# Altium PCB CT310高端控制盒核心板电路V1.3.PcbDoc (part 9 of 10)
Units mil, origin at the board's own origin, x right, y up, seen from the top; angles counter-clockwise.
Board outline 3735.76 x 4625 mil, 2 copper layers (TOP, BOTTOM), stack 10.4 mil thick; 198 components, 362 nets, 1085 pads, 352 vias.
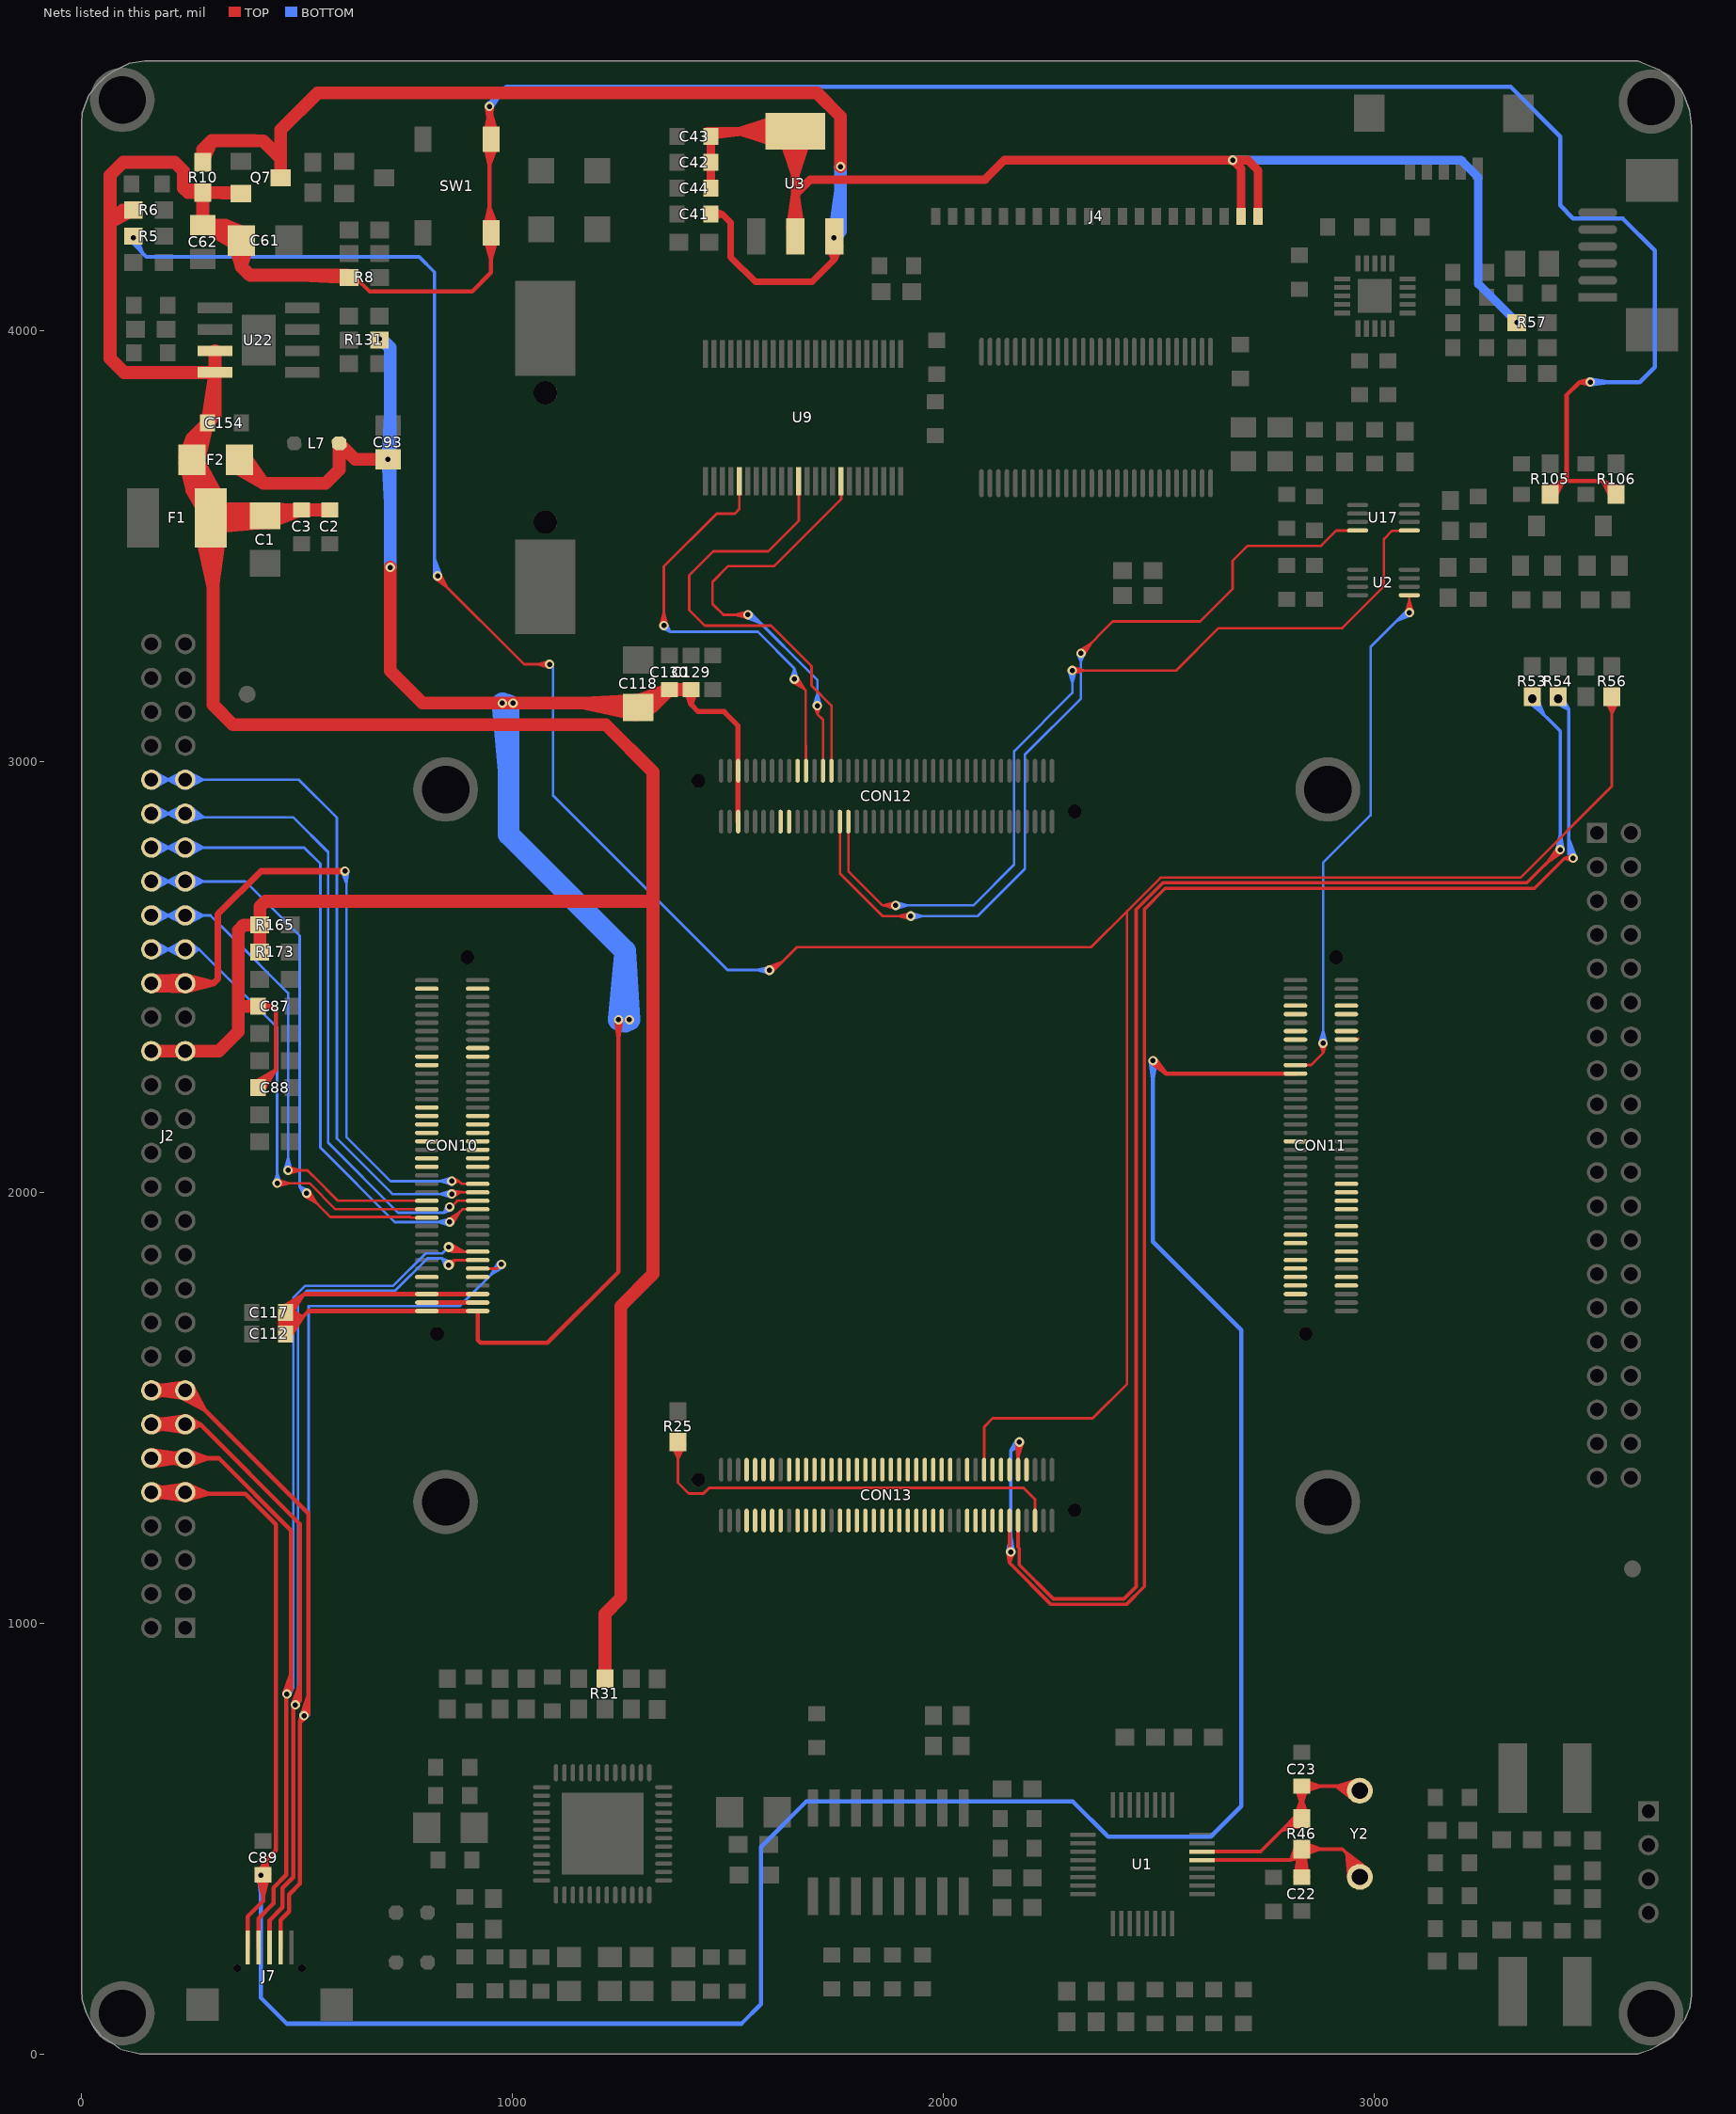
[diagram p9: the nets of this part, all layers, seen from the top]

## Via types
v1: diameter 22, hole 12, TOP to BOTTOM, tented both sides, 177 vias
v2: diameter 22, hole 12, TOP to BOTTOM, 89 vias
v3: diameter 28, hole 16, TOP to BOTTOM, 37 vias
v4: diameter 30, hole 20, TOP to BOTTOM, tented both sides, 26 vias
v5: diameter 24, hole 12, TOP to BOTTOM, 17 vias
v6: diameter 50, hole 30, TOP to BOTTOM, tented both sides, 5 vias
v7: diameter 40, hole 24, TOP to BOTTOM, 1 vias

## Nets (pads, with @x,y where several pads share a name; then routed paths per layer and width w, separated by ;. In a path a pad name is that pad's centre, name@x,y a point inside that pad or via, vN(x,y) a via of type N, cw(c..) or ccw(c..) an arc to the next point about the centre after c; other vN are vias at no path point) (continued)
VSYS: C1.1 C2.1 C3.1 C61.1 C62.1 C87.1 C88.1 C154.1 F1.2 F2.1 J2.35 J2.36 Q7.2 R6.2 R8.1 R10.1 R31.2 R105.2 R106.2 R165.2 R173.2 SW1.1 SW1.2 U22.3 U22.4 | length 22431.9
  TOP w10: C88.1@401.64,2254.59 448.17,2281.36 ; C88.1@409.24,2242.43 450.76,2283.94 450.76,2420 439.55,2431.21 ; C88.1@409.24,2244.4 448.17,2281.36 ; C87.1@409.24,2431.21 439.55,2431.21 ; C87.1@411.91,2418.78 439.55,2431.21 ; C87.1@411.91,2443.65 439.55,2431.21 ; C88.1@419.03,2236.28 448.17,2281.36 ; R8.1@620.01,4122.85 635.39,4122.85 668.25,4090 905.76,4090 949.5,4133.74 SW1.1@949.5,4226.73 945.76,4230.47 v1(945.76,4520) 949.5,4478.32 ; SW1.1@934.85,4237.64 945.76,4286.48 ; SW1.2@934.85,4432.36 945.76,4383.57 ; SW1.2@934.85,4454.18 945.76,4502.88 ; SW1.1@934.98,4214.72 949.5,4167.2 ; SW1.2@934.98,4455.28 949.5,4502.8 ; v1@939.78,4519.56 945.76,4479 v1@951.74,4519.56 ; v1@939.84,4519.04 949.5,4478.32 ; SW1.1@949.5,4216.89 949.5,4167.2 ; SW1.1@949.5,4236.57 945.76,4286.48 ; SW1.2@949.5,4433.43 945.76,4383.57 ; SW1.2@949.5,4443.27 v1@949.5,4516.26 ; v1@951.76,4520.11 949.5,4478.32 ; SW1.1@963.82,4239.81 945.76,4286.48 ; SW1.2@963.82,4430.19 945.76,4383.57 ; SW1.2@963.82,4456.35 945.76,4502.88 ; SW1.1@964.02,4214.72 949.5,4167.2 ; SW1.2@964.02,4455.28 949.5,4502.8 ; R105.2@3399.44,3633.86 3437.86,3650 ; R105.2@3407.43,3619.57 3437.86,3650 ; R105.2@3407.43,3621.54 3437.86,3650 ; R105.2@3419.19,3612.75 3437.86,3650 ; v1@3500.04,3874.04 3475.76,3880 ; v1@3500.04,3885.96 3475.76,3880 ; v1(3500.76,3880) 3475.76,3880 ; R106.2@3549,3612.75 3530.33,3650 ; R106.2@3560.76,3619.57 3530.33,3650 ; R106.2@3560.76,3621.54 3530.33,3650 ; R106.2@3568.74,3633.86 3530.33,3650 ; 945.76,4502.88 949.5,4453.11 949.5,4502.8 ; 3437.86,3650 3530.33,3650 ; 3437.86,3650 3445.76,3657.9 3445.76,3850 3475.76,3880
  TOP w30: R6.2@119.76,4279.28 95.04,4279.28 ; J2.36@161.39,2327.22 J2.35@240.13,2327.22 317.98,2327.22 363.26,2372.5 363.26,2433.71 ; 179.13,3902.35 U22.4@281.63,3902.35 ; F1.2@277.28,3530.66 304.5,3406.02 ; F1.2@277.4,3592.84 F2.1@272.01,3694.04 ; F1.2@278.11,3589.85 F2.1@255.64,3700 ; F1.2@278.18,3589.62 F2.1@255.64,3696.06 ; F1.2@279.38,3586.65 F2.1@239.27,3694.04 ; R10.1@280.76,4317.6 C62.1@280.76,4244.37 ; R10.1@280.76,4321.54 235.76,4330 ; F1.2@295.76,3563.74 F1.2@299.99,3567.97 ; F1.2@295.76,3588.74 255.64,3628.86 ; F1.2@297.67,3587.33 C1.1@419.9,3586.09 ; F1.2@299.38,3542.6 C1.1@420.36,3553.17 ; F1.2@299.5,3533.5 304.5,3406.02 ; F1.2@300.71,3587.37 C1.1@421.25,3569.65 ; F1.2@300.97,3587.35 C1.1@425.19,3567.97 ; F1.2@302.02,3542.74 C1.1@425.19,3567.97 ; F1.2@302.41,3542.79 C1.1@421.25,3569.65 ; F1.2@303.73,3587 C1.1@420.36,3553.17 ; C154.1@304.13,3797.74 C154.1@291.39,3785 ; F1.2@304.5,3605 304.5,3131.26 350.76,3085 1215.76,3085 1325.76,2975 1325.76,1810 1250.76,1735 1250.76,1057.94 1213.97,1021.16 1213.97,900 1213.97,872.97 1213.97,982.66 ; F1.2@305.37,3543.38 C1.1@419.9,3586.09 ; U22.4@309.13,3899.61 C154.1@291.39,3786.97 ; U22.3@309.13,3945 U22.4@309.13,3902.35 ; U22.3@309.13,3952.35 U22.4@309.13,3902.35 ; F1.2@317.32,3610.07 F2.1@239.27,3694.04 ; F1.2@318.96,3607.59 F2.1@255.64,3696.06 ; F1.2@319.15,3607.25 F2.1@255.64,3700 ; F1.2@320.26,3604.92 F2.1@272.01,3694.04 ; F1.2@321.88,3532.41 304.5,3406.02 ; C61.1@353.76,4201.49 370.07,4147.97 ; Q7.2@362.9,4319.57 R10.1@280.76,4319.57 ; Q7.2@365.25,4317.5 R10.1@280.76,4319.57 ; C61.1@370.07,4203.92 370.07,4147.97 ; C61.1@386.39,4201.49 370.07,4147.97 ; R165.2@411.21,2620 375.76,2620 ; C1.1@425.19,3569.65 C1.1@438.97,3583.43 ; 507.75,4127.85 R8.1@618.04,4122.85 ; R8.1@620.01,4122.85 615.01,4127.85 390.19,4127.85 370.07,4147.97 ; 1315.76,2675 425.76,2675 413.18,2662.42 R165.2@413.18,2620 ; 65.76,4250 65.76,4360 95.76,4390 215.76,4390 235.76,4370 235.76,4330 ; 65.76,4250 65.76,3935 98.41,3902.35 U22.4@309.13,3902.35 ; 65.76,4250 95.04,4279.28 ; 65.76,4250 R6.2@117.79,4279.28 ; 95.04,4279.28 R6.2@117.79,4279.28 ; 95.04,4279.28 R6.2@117.79,4279.28 ; 235.76,4330 246.19,4319.57 ; F2.1@239.27,3694.04 255.64,3628.86 ; F2.1@239.27,3694.04 F1.2@299.5,3596.5 ; 246.19,4319.57 R10.1@280.76,4319.57 ; 246.19,4319.57 R10.1@280.76,4319.57 ; 255.64,3628.86 F2.1@255.64,3700 ; 255.64,3628.86 F2.1@272.01,3694.04 ; 255.64,3628.86 F2.1@255.64,3696.06 ; 255.64,3628.86 F1.2@282.78,3581.59 ; 255.64,3628.86 F1.2@308.81,3616.87 ; 255.64,3628.86 F1.2@299.5,3596.5 ; 255.64,3628.86 F1.2@282.78,3581.59 ; 255.64,3628.86 F1.2@308.81,3616.87 ; 255.64,3628.86 F1.2@299.5,3596.5 ; 255.64,3628.86 F1.2@282.78,3581.59 ; 255.64,3628.86 F1.2@308.81,3616.87 ; 255.64,3628.86 F1.2@299.5,3596.5 ; 255.64,3628.86 F1.2@282.78,3581.59 ; 255.64,3628.86 F1.2@308.81,3616.87 ; 255.64,3628.86 F1.2@299.5,3596.5 ; 255.64,3628.86 F1.2@282.78,3581.59 ; 255.64,3628.86 F1.2@308.81,3616.87 ; 255.64,3628.86 F1.2@299.5,3596.5 ; F2.1@255.64,3696.06 F1.2@299.5,3596.5 ; F2.1@255.64,3700 255.64,3749.25 ; F2.1@255.64,3700 F1.2@299.5,3596.5 ; F2.1@255.64,3703.94 C154.1@291.39,3785 ; F2.1@255.64,3703.94 255.64,3749.25 ; F2.1@255.64,3703.94 255.64,3749.25 ; F2.1@255.64,3703.94 C154.1@291.39,3783.03 ; 255.64,3749.25 C154.1@291.39,3785 ; 255.64,3749.25 239.42,3706.94 255.64,3749.25 ; 255.64,3749.25 271.86,3706.94 255.64,3749.25 ; 255.64,3749.25 C154.1@291.39,3783.03 ; F2.1@272.01,3694.04 F1.2@299.5,3596.5 ; C62.1@280.76,4244.37 333.55,4244.37 ; C62.1@280.76,4244.37 R10.1@280.76,4319.57 ; C62.1@280.76,4244.37 363.09,4196.84 C62.1@286.67,4244.37 ; C62.1@280.76,4244.37 374.36,4227.72 C62.1@286.67,4244.37 ; C62.1@280.76,4244.37 C61.1@370.07,4211.79 ; C62.1@286.67,4244.37 333.55,4244.37 ; C62.1@286.67,4244.37 C61.1@370.07,4211.79 ; C154.1@291.39,3783.03 271.29,3698.72 C154.1@291.39,3785 ; C154.1@291.39,3783.03 241.23,3711.97 C154.1@291.39,3785 ; C154.1@291.39,3785 309.13,3802.74 ; C154.1@291.39,3786.97 309.13,3802.74 ; C154.1@291.39,3786.97 309.13,3802.74 ; F1.2@299.5,3565 C1.1@425.19,3567.97 ; F1.2@299.5,3565 C1.1@420.36,3553.17 ; F1.2@299.5,3565 C1.1@419.9,3586.09 ; F1.2@299.5,3565 C1.1@421.25,3569.65 ; F1.2@299.99,3567.97 C1.1@425.19,3567.97 ; F1.2@299.99,3567.97 C1.1@420.36,3553.17 ; F1.2@299.99,3567.97 C1.1@419.9,3586.09 ; F1.2@299.99,3567.97 C1.1@421.25,3569.65 ; 309.13,3802.74 U22.4@309.13,3902.35 ; 333.55,4244.37 C61.1@370.07,4207.85 370.07,4147.97 ; 333.55,4244.37 357.17,4201.51 333.55,4244.37 ; 333.55,4244.37 378.82,4225.77 333.55,4244.37 ; 333.55,4244.37 C61.1@370.07,4211.79 ; 333.55,4244.37 C61.1@370.07,4211.79 ; 363.26,2433.71 365.76,2431.21 ; 363.26,2433.71 363.26,2607.5 375.76,2620 ; 365.76,2431.21 C87.1@409.24,2431.21 365.76,2431.21 ; 375.76,2620 R165.2@413.18,2620 ; R165.2@413.18,2620 R173.2@413.18,2557.07 R165.2@413.18,2620 ; C1.1@438.97,3583.43 C3.1@510.19,3583.43 ; C1.1@438.97,3583.43 C3.1@508.22,3583.43 ; C3.1@508.22,3583.43 428.01,3586.1 C3.1@510.19,3583.43 ; C3.1@508.22,3583.43 433.51,3553.74 C3.1@510.19,3583.43 ; C3.1@508.22,3583.43 429.13,3569.65 C3.1@510.19,3583.43 ; C3.1@510.19,3583.43 C2.1@575.19,3583.43 512.16,3583.43 573.22,3583.43 C3.1@510.19,3583.43
  BOTTOM w10: v1@941.47,4524.19 975.09,4554.33 ; v1@950.57,4516.41 975.09,4554.33 ; v1(3500.76,3880) 3615.76,3880 3650.76,3915 3650.76,4185 3575.76,4260 3460.76,4260 3430.76,4290 3430.76,4450 3315.76,4565 985.76,4565 945.76,4525 v1(945.76,4520) 975.09,4554.33 ; v1@3501.2,3874.02 3541.76,3880 v1@3501.2,3885.98
VSYS_K: C93.1 C112.1 C117.1 C118.1 C129.1 C130.1 CON10.1 CON10.2 CON10.3 CON10.4 CON10.5 CON10.6 CON12.75 CON12.76 F2.2 L7.2 R131.1 | length 9782.6
  TOP w10: C117.1@460.28,1719.04 C112.1@465.38,1682.73 ; C117.1@460.38,1716.91 C112.1@472.98,1670.89 ; C117.1@460.39,1716.85 C112.1@472.98,1672.54 ; C117.1@460.39,1720.36 C112.1@460.38,1674.23 ; C117.1@461.35,1713.47 C112.1@485.59,1674.23 ; C117.1@465.38,1732.73 511.91,1759.5 ; C117.1@472.1,1705.92 511.91,1709.5 ; C117.1@472.98,1722.54 511.91,1759.5 ; C117.1@477.81,1730.37 511.91,1709.5 ; C112.1@482.77,1664.42 511.91,1709.5 ; C117.1@482.77,1714.42 511.91,1759.5 ; C117.1@484.62,1713.47 C112.1@460.38,1674.23 ; C117.1@484.78,1713.85 C112.1@465.38,1682.73 ; C117.1@485.58,1716.85 C112.1@472.98,1672.54 ; C117.1@485.58,1720.36 C112.1@485.59,1674.23 ; C117.1@485.59,1716.91 C112.1@472.98,1670.89 ; 743.16,1724.04 CON10.1@778.16,1724.04 ; 743.16,1763.41 CON10.5@778.16,1763.41 ; CON10.3@800.66,1743.72 CON10.4@918.77,1743.72 ; CON10.1@823.16,1724.04 858.16,1724.04 ; CON10.3@823.16,1743.72 858.16,1743.72 ; CON10.5@823.16,1763.41 858.16,1763.41 ; 861.27,1724.04 CON10.2@896.27,1724.04 ; 861.27,1743.72 CON10.4@896.27,1743.72 ; 861.27,1763.41 CON10.6@896.27,1763.41 ; CON10.6@918.77,1763.41 CON10.5@800.66,1763.41 515.82,1763.41 C117.1@472.98,1720.57 C112.1@472.98,1670.57 526.45,1724.04 CON10.1@800.66,1724.04 CON10.2@918.77,1724.04 918.77,1656.99 925.76,1650 1080.76,1650 1245.76,1815 v1(1245.76,2400) ; v1@1239.78,2399.56 1245.76,2359 v1@1251.74,2399.56 ; C112.1@460.38,1674.23 C117.1@472.98,1720.26 ; C112.1@460.38,1674.23 C117.1@472.98,1718.6 ; C112.1@465.38,1682.73 511.91,1709.5 ; C112.1@465.38,1682.73 C117.1@472.98,1718.6 ; C112.1@472.98,1670.89 C117.1@472.98,1718.6 ; C112.1@472.98,1672.54 511.91,1709.5 ; C112.1@472.98,1672.54 C117.1@472.98,1720.26 ; C112.1@472.98,1672.54 C117.1@472.98,1718.6 ; C117.1@472.98,1718.6 511.91,1709.5 ; C117.1@472.98,1718.6 C112.1@485.59,1674.23 ; C117.1@472.98,1720.26 C112.1@485.59,1674.23
  TOP w12: C129.1@1402.54,3164.69 1413.61,3132.15 ; C129.1@1413.61,3166.52 1413.61,3132.15 ; C129.1@1414.11,3166.52 1413.61,3132.15 ; C129.1@1425.63,3164.35 1413.61,3132.15 ; CON12.75@1523.1,2859.86 CON12.76@1523.1,2977.98 1523.1,3082.66 1490.76,3115 1430.76,3115 1413.61,3132.15 ; CON12.75@1523.1,2882.36 1523.1,2923.36 ; 1523.1,2914.48 CON12.76@1523.1,2955.48 ; CON12.76@1523.1,3000.48 1523.1,3041.48
  TOP w30: F2.2@356.05,3682.81 420.88,3645 ; F2.2@365.88,3696.06 420.88,3645 ; F2.2@365.88,3700 420.88,3645 ; F2.2@378.36,3706.85 420.88,3645 ; C93.1@704.85,3700.63 634.58,3700.63 ; v1(715.76,3450) 715.76,3210 790.76,3135 1280.64,3135 C118.1@1290.76,3124.88 C118.1@1321.98,3124.88 ; C118.1@1284.38,3108.57 1163.64,3135 ; C118.1@1286.82,3124.88 1163.64,3135 ; C118.1@1287.07,3141.38 1163.64,3135 ; C118.1@1287.5,3139.72 C130.1@1361.65,3166.52 ; C118.1@1287.66,3139.8 C130.1@1363.61,3166.52 ; C118.1@1304.63,3111.71 C130.1@1363.61,3166.52 ; C118.1@1304.83,3111.86 C130.1@1361.65,3166.52 ; 420.88,3645 565.76,3645 597.35,3676.59 L7.2@597.35,3737.85 634.58,3700.63 ; 634.58,3700.63 v1(710.76,3700.63) ; 634.58,3700.63 v1(710.76,3700.63) ; 634.58,3700.63 v1(710.76,3700.63) ; C118.1@1321.98,3124.88 C130.1@1363.61,3166.52 ; C118.1@1321.98,3124.88 C130.1@1361.65,3166.52 ; C130.1@1361.65,3166.52 1294.7,3124.88 C130.1@1363.61,3166.52 ; C130.1@1363.61,3166.52 1413.61,3166.52 1365.58,3166.52 1412.15,3166.52 C130.1@1363.61,3166.52
  BOTTOM w10: v1@1250.76,2395 v1@1250.76,2400
  BOTTOM w30: v1(715.76,3450) 715.76,3551 ; v1@715.76,3455 715.76,3960 ; 715.76,3598.64 v1(710.76,3700.63) 715.76,3802.63 ; 715.76,3960 695.76,3980 v1(690.76,3980) 715.76,3960
  BOTTOM w50: 990.76,2966.83 v1(975.76,3135) 990.76,3130 990.76,2830 1260.76,2560 ; v1(1245.76,2400) 1260.76,2560 ; v1(1245.76,2400) 1260.76,2395 1260.76,2560 ; v1(1245.76,2400) v1(1270.76,2400) ; v1(1245.76,2400) v1(1270.76,2400) ; 1260.76,2560 v1(1270.76,2400) ; 1260.76,2560 v1(1270.76,2400)
  other v1: 1000.76,3135
VSYS_LCD: C41.2 Q7.3 R10.2 U3.3 | length 2972.8
  TOP w15: C41.2@1460.13,4270 1485.76,4270 ; C41.2@1462.17,4259.99 1485.76,4270 ; C41.2@1462.17,4280.01 1485.76,4270 ; U3.3@1732.48,4194.3 1746.31,4163.73 ; U3.3@1746.31,4215 1746.31,4163.73 ; U3.3@1760.15,4194.3 1746.31,4163.73 ; 1485.76,4270 1505.76,4250 1505.76,4170 1563.26,4112.5 1695.08,4112.5 1746.31,4163.73 ; v1(1745.76,4215) 1746.31,4163.73 ; v1(1745.76,4215) 1746.31,4197.28 1746.31,4163.73 ; v1(1745.76,4215) 1746.31,4163.73
  TOP w30: R10.2@280.76,4390.43 280.76,4420 ; Q7.3@461.69,4354.5 461.69,4399.07 ; v1(1760.76,4380) 1760.76,4496.55 1706.31,4551 546.76,4551 461.69,4465.93 461.69,4399.07 ; R10.2@280.76,4392.4 280.76,4420 ; R10.2@280.76,4392.4 301.3,4440.54 ; R10.2@280.76,4392.4 280.76,4420 ; 280.76,4420 301.3,4440.54 ; 301.3,4440.54 401.1,4440.54 401.63,4440 420.76,4440 461.69,4399.07
  BOTTOM w30: 1760.76,4322.8 v1(1745.76,4215) ; v1(1760.76,4380) 1760.76,4230 ; v1(1745.76,4215) 1760.76,4230 ; v1(1745.76,4215) 1760.76,4230
VSYS_LCD_3.3V: C42.2 C43.2 C44.2 J4.1 J4.2 R57.2 U3.2 U3.4 | length 4622.8
  TOP w20: C43.2@1452.18,4462.05 U3.4@1655.76,4462.05 1655.76,4315 ; C43.2@1460.13,4451.97 1540.09,4462.05 ; C43.2@1472.18,4462.05 C43.2@1460.13,4450 ; U3.4@1623.84,4456.94 1655.76,4359.72 ; U3.4@1624.08,4430.13 1526.86,4462.05 ; U3.4@1624.08,4493.96 1526.86,4462.05 ; U3.4@1628.44,4449.75 1526.86,4462.05 ; U3.4@1628.44,4474.35 1526.86,4462.05 ; U3.4@1629.19,4462.05 1526.86,4462.05 ; U3.4@1643.46,4461.31 1655.76,4359.72 ; U3.2@1644.14,4239.51 1655.76,4315 ; U3.2@1655.76,4217.95 1655.76,4315 ; U3.2@1655.76,4238.62 1655.76,4315 ; U3.2@1667.38,4239.51 1655.76,4315 ; U3.4@1668.06,4461.31 1655.76,4359.72 ; U3.4@1687.68,4456.94 1655.76,4359.72 ; J4.2@2690.41,4265 2690.41,4375.35 v1(2670.76,4395) ; J4.2@2690.41,4273.86 2690.41,4344.69 ; J4.1@2729.78,4265 2729.78,4370.98 2705.76,4395 v1(2670.76,4395) ; J4.1@2729.78,4273.86 2729.78,4344.69 ; C42.2@1460.13,4390 C44.2@1460.13,4330 1460.13,4388.03 1460.13,4331.97 C42.2@1460.13,4390 ; C42.2@1460.13,4390 C43.2@1460.13,4450 ; C42.2@1460.13,4390 1460.13,4448.03 1460.13,4391.97 C43.2@1460.13,4450 ; 1655.76,4315 1690.76,4350 2095.76,4350 2140.76,4395 v1(2670.76,4395)
  BOTTOM w20: v1(2670.76,4395) 3200.76,4395 3240.76,4355 3240.76,4107.9 v1(3330.33,4018.33)
W_PMU_EN: CON13.8
WIFI_CLK: CON10.37
WIFI_CMD: CON10.38
WIFI_D0: CON10.41
WIFI_D1: CON10.40
WIFI_D2: CON10.43
WIFI_D3: CON10.42
WIFI_PWDN: CON10.36
WIFI_WOW: CON10.35
XADCAIN0: CON11.49
XADCAIN1: CON11.51
XADCAIN2: CON11.53
XADCAIN3: CON11.55
XCIFIELD: CON11.40
XCLKOUT: CON10.59
XEINT1_BAK: CON13.16
XEINT6: CON13.18 R5.2 R56.2 | length 7878
  TOP w6: R5.2@112.4,4218.16 R5.2@110.19,4202.85 ; R5.2@118.47,4207.1 R5.2@138.69,4207.85 ; R5.2@124,4221.78 R5.2@138.69,4207.85 ; R5.2@124.55,4208.59 R5.2@110.19,4202.85 ; v1@820.25,3424.2 847.4,3403.92 ; v1@832.48,3434.35 847.4,3403.92 ; v1@1084.66,3217.08 1056.76,3225 ; v1@1084.66,3232.92 1056.76,3225 ; v1@1592.15,2522.14 1625.08,2534.32 ; v1@1600.89,2508.86 1625.08,2534.32 ; CON13.18@2093.97,1355.93 2093.97,1455 2113.97,1475 2345.76,1475 2425.76,1555 2425.76,2651.97 ; CON13.18@2093.97,1378.43 2093.97,1401.43 ; R56.2@3534.49,3143.9 3550.76,3109.91 ; R56.2@3540.18,3146.08 3550.76,3109.91 ; R56.2@3546.08,3147.31 3550.76,3109.91 ; R56.2@3550.76,3147.6 3550.76,3109.91 ; R56.2@3550.76,3149.57 3550.76,2941.87 3338.89,2730 2503.79,2730 2425.76,2651.97 ; R56.2@3555.44,3147.31 3550.76,3109.91 ; R56.2@3561.34,3146.08 3550.76,3109.91 ; R56.2@3567.03,3143.9 3550.76,3109.91 ; R5.2@110.19,4202.85 R5.2@114.19,4202.85 ; R5.2@110.19,4202.85 v2(119.76,4215) ; R5.2@114.19,4202.85 119.19,4207.85 R5.2@138.69,4207.85 ; R5.2@114.19,4202.85 125.7,4209.64 R5.2@114.19,4202.85 ; R5.2@114.19,4202.85 111.82,4216 R5.2@114.19,4202.85 ; R5.2@114.19,4202.85 v2(119.76,4215) ; R5.2@114.19,4202.85 v2(119.76,4215) ; v2(119.76,4215) R5.2@138.69,4207.85 ; 847.4,3403.92 v1(825.76,3430) 825.76,3425.56 1026.32,3225 v1(1085.76,3225) 1056.76,3225 ; 1625.08,2534.32 v1(1595.76,2515) 1605.76,2515 1659.25,2568.49 2342.27,2568.49 2425.76,2651.97
  BOTTOM w6: v1(1085.76,3225) 1093.61,3217.15 1093.61,2920.57 1498.61,2515.57 v1@1595.76,2515.57 ; v1@1594.5,2507.1 1566.75,2515.57 ; v1@1594.81,2522.94 1566.75,2515.57 ; v1(1595.76,2515) 1566.75,2515.57
  BOTTOM w8: v2@114.08,4210.91 140.37,4180.39 ; v2@126.06,4218.05 140.37,4180.39 ; v1@818.79,3429.35 818.61,3469.17 ; v1@832.51,3431.86 818.61,3469.17 ; 119.76,4201 149.91,4170.85 782.76,4170.85 818.61,4135 818.61,3437.15 v1(825.76,3430) 818.61,3469.17 ; 119.76,4201 v2(119.76,4215) ; 119.76,4201 126.53,4213.25 119.76,4201 ; 119.76,4201 112.98,4213.25 119.76,4201 ; 119.76,4201 v2(119.76,4215) ; v2(119.76,4215) 140.37,4180.39
XEINT7/GPX0_7: CON10.32 J2.39 J2.40 | length 2626.7
  TOP w6: v2(858.61,2025.57) 874.61,2025.57 ; v2@860.61,2017.83 874.61,2025.57 ; v2@860.61,2033.32 874.61,2025.57 ; CON10.32@896.27,2019.31 880.87,2019.31 ; CON10.32@918.77,2019.31 880.87,2019.31 ; 874.61,2025.57 880.87,2019.31
  TOP w15: J2.40@161.39,2484.7 J2.39@240.13,2484.7 ; J2.40@163.28,2468.69 230.01,2484.7 J2.40@163.28,2500.71 ; J2.39@235.09,2469.39 J2.40@172.28,2498.55 ; J2.39@235.09,2500.01 J2.40@172.28,2470.85 ; J2.39@238.24,2468.69 171.51,2484.7 J2.39@238.24,2500.71 ; J2.39@241.49,2468.64 J2.40@172.28,2470.85 ; J2.39@241.49,2500.76 J2.40@172.28,2498.55 ; J2.39@242.12,2468.7 305.46,2484.7 ; J2.39@242.12,2500.7 305.46,2484.7 ; v1(610.76,2745) 415.76,2745 315.76,2645 315.76,2495 305.46,2484.7 ; J2.40@172.28,2470.85 J2.39@240.13,2484.7 ; J2.40@172.28,2498.55 J2.39@240.13,2484.7 ; J2.39@240.13,2484.7 305.46,2484.7
  BOTTOM w6: v1@603.01,2743.03 614.11,2715.52 ; v1(610.76,2745) 614.11,2715.52 ; v1@614.11,2745 614.11,2128.24 716.78,2025.57 v2(858.61,2025.57) ; v1@618.76,2744.82 614.11,2715.52 ; v2@857.51,2017.65 829.61,2025.57 v2@857.51,2033.49
XEINT14_BAK: CON13.22
XEINT18/KP_ROW2/ALV_DBG14: CON10.48
XEINT29/KP_ROW13/ALV_DBG25: CON10.49
XEINT30/HDMI_CEC/ALV_DBG26: CON11.22 U2.5 | length 1562
  TOP w6: CON11.22@2816.4,2294.91 2852.9,2294.91 ; CON11.22@2838.9,2294.91 2852.9,2294.91 ; v2@2872.74,2344.18 2880.61,2322.62 ; v2@2888.49,2344.18 2880.61,2322.62 ; v1@3072.84,3346.11 3080.8,3374 ; U2.5@3080.8,3385.47 v1(3080.76,3345) v1(3080.76,3345) 3080.8,3374 ; v1@3088.68,3346.09 3080.8,3374 ; 2852.9,2294.91 2880.61,2322.62 ; 2880.61,2322.62 v2(2880.61,2345.57) 2880.61,2322.62
  BOTTOM w6: v2@2872.69,2346.67 2880.61,2374.57 v2@2888.54,2346.67 ; v2(2880.61,2345.57) 2880.61,2764.85 2990.76,2875 2990.76,3265 3070.76,3345 v1(3080.76,3345) 3051.08,3325.32 ; v1@3075.62,3351.13 3051.08,3325.32 ; v1@3084.4,3337.88 3051.08,3325.32
XHDMITX0N: CON11.9
XHDMITX0P: CON11.7
XHDMITX1N: CON11.10
XHDMITX1P: CON11.8
XHDMITX2N: CON11.15 | length 9.8
  TOP w6: CON11.15@2957.02,2353.95 2962.58,2356.57 CON11.15@2959.96,2353.95
XHDMITX2P: CON11.13
XHDMITXCN: CON11.16
XHDMITXCP: CON11.14
XI2S0CDCLK/PCM_0_EXTCLK: CON11.71
XI2S0LRCK/PCM_0_FSYNC: CON11.70
XI2S0SCLK/PCM_0_SCLK: CON11.68
XI2S0SDI/PCM_0_SIN: CON11.74
XI2S0SDO_0/PCM_0_SOUT: CON11.72
XISPI2C1SCL: CON13.30
XISPI2C1SDA: CON13.32
XISPSPICLK: CON13.26
XISPSPICSN: CON13.19
XISPSPIMISO: CON13.21
XISPSPIMOSI: CON13.28
XJTCK: CON13.13
XJTDI: CON13.14
XJTDO: CON13.15
XJTMS: CON13.12
XJTRSTN: CON13.17
XM0ADDR0: CON13.65
XM0ADDR1: CON13.68
XM0ADDR2: CON13.67
XM0ADDR3: CON13.70
XM0ADDR4: CON13.69
XM0ADDR5: CON13.72
XM0ADDR6: CON13.71
XM0ADDR7: CON13.74
XM0BEN0: CON13.43
XM0CS0: CON13.73
XM0CS1: CON13.46
XM0DATA0: CON13.45
XM0DATA1: CON13.50
XM0DATA2: CON13.47
XM0DATA3: CON13.52
XM0DATA4: CON13.49
XM0DATA5: CON13.54
XM0DATA6: CON13.51
XM0DATA7: CON13.56
XM0DATA8: CON13.55
XM0DATA9: CON13.58
XM0DATA10: CON13.57
XM0DATA11: CON13.60
XM0DATA12: CON13.59
XM0DATA13: CON13.62
XM0DATA14: CON13.61
XM0DATA15: CON13.64
XM0DATA_RDN: CON13.44
XM0OEN: CON13.48
XM0WEN: CON13.41
XMIPI2LSDN0: CON11.64
XMIPI2LSDN1: CON11.67
XMIPI2LSDNCLK: CON11.61
XMIPI2LSDP0: CON11.62
XMIPI2LSDP1: CON11.65
XMIPI2LSDPCLK: CON11.59
XMIPIMDN0: CON13.29
XMIPIMDN1: CON13.33
XMIPIMDN2: CON13.38
XMIPIMDN3: CON13.42
XMIPIMDNCLK: CON13.37
XMIPIMDP0: CON13.27
XMIPIMDP1: CON13.31
XMIPIMDP2: CON13.36
XMIPIMDP3: CON13.40
XMIPIMDPCLK: CON13.35
XMMC2CLK: CON10.26 J2.47 J2.48 | length 2402.9
  TOP w6: v2@848.67,1936.86 877.34,1954.3 v2@859.9,1925.63 ; v2(853.61,1930.57) 883.29,1960.25 ; CON10.26@896.27,1960.25 883.29,1960.25 ; CON10.26@918.77,1960.25 883.29,1960.25
  BOTTOM w6: J2.48@161.39,2799.66 J2.47@240.13,2799.66 516.1,2799.66 553.61,2762.15 553.61,2103.34 726.38,1930.57 v2(853.61,1930.57) ; J2.48@162.28,2791.08 203.01,2799.66 ; J2.48@162.28,2808.24 203.01,2799.66 ; J2.48@163.96,2785.27 203.01,2799.66 ; J2.48@163.96,2814.05 203.01,2799.66 ; J2.48@166.5,2779.68 203.01,2799.66 ; J2.48@166.5,2819.64 203.01,2799.66 ; J2.47@235.02,2779.68 198.51,2799.66 ; J2.47@235.02,2819.64 198.51,2799.66 ; J2.47@237.56,2785.27 198.51,2799.66 ; J2.47@237.56,2814.05 198.51,2799.66 ; J2.47@239.24,2791.08 198.51,2799.66 ; J2.47@239.24,2808.24 198.51,2799.66 ; J2.47@241.02,2791.08 281.75,2799.66 ; J2.47@241.02,2808.24 281.75,2799.66 ; J2.47@242.7,2785.27 281.75,2799.66 ; J2.47@242.7,2814.05 281.75,2799.66 ; J2.47@245.24,2779.68 281.75,2799.66 ; J2.47@245.24,2819.64 281.75,2799.66 ; v2@852.51,1922.65 824.61,1930.57 v2@852.51,1938.49

## Text inside footprints (layer, text, board x,y; h text height)
U8: PIN_NUMBER "23" at 1337.75,607.03 h15.75 r180; PIN_NUMBER "18" at 1337.75,508.6 h15.75 r180; PIN_NUMBER "19" at 1337.75,528.29 h15.75 r180; PIN_NUMBER "15" at 1337.75,449.55 h15.75 r180; PIN_NUMBER "14" at 1337.75,429.86 h15.75 r180; PIN_NUMBER "17" at 1337.75,488.92 h15.75 r180; PIN_NUMBER "26" at 1292.47,652.3 h15.75 r90; PIN_NUMBER "25" at 1312.16,652.3 h15.75 r90; PIN_NUMBER "11" at 1292.47,368.84 h15.75 r90; PIN_NUMBER "27" at 1272.79,652.3 h15.75 r90; PIN_NUMBER "33" at 1154.68,652.3 h15.75 r90; PIN_NUMBER "35" at 1115.31,652.3 h15.75 r90; PIN_NUMBER "36" at 1095.62,652.3 h15.75 r90; PIN_NUMBER "1" at 1101.92,368.84 h15.75 r90; PIN_NUMBER "49" at 1188.61,510.57 h25 r90; PIN_NUMBER "48" at 1054.28,410.18 h15.75 r180; PIN_NUMBER "38" at 1054.28,607.03 h15.75 r180; PIN_NUMBER "43" at 1054.28,508.6 h15.75 r180; PIN_NUMBER "16" at 1337.75,469.23 h15.75 r180; PIN_NUMBER "6" at 1200.35,368.84 h15.75 r90; PIN_NUMBER "7" at 1220.03,368.84 h15.75 r90; PIN_NUMBER "41" at 1054.28,547.97 h15.75 r180; PIN_NUMBER "40" at 1054.28,567.66 h15.75 r180; PIN_NUMBER "24" at 1337.75,626.71 h15.75 r180; PIN_NUMBER "37" at 1054.28,626.71 h15.75 r180; PIN_NUMBER "42" at 1054.28,528.29 h15.75 r180; PIN_NUMBER "45" at 1054.28,469.23 h15.75 r180; PIN_NUMBER "46" at 1054.28,449.55 h15.75 r180; PIN_NUMBER "32" at 1174.36,652.3 h15.75 r90; PIN_NUMBER "22" at 1337.75,587.34 h15.75 r180; PIN_NUMBER "44" at 1054.28,488.92 h15.75 r180; PIN_NUMBER "3" at 1141.29,368.84 h15.75 r90; PIN_NUMBER "10" at 1272.79,368.84 h15.75 r90; PIN_NUMBER "34" at 1134.99,652.3 h15.75 r90; PIN_NUMBER "29" at 1233.42,652.3 h15.75 r90; PIN_NUMBER "8" at 1239.72,368.84 h15.75 r90; PIN_NUMBER "39" at 1054.28,587.34 h15.75 r180; PIN_NUMBER "21" at 1337.75,567.66 h15.75 r180; PIN_NUMBER "9" at 1259.4,368.84 h15.75 r90; PIN_NUMBER "30" at 1213.73,652.3 h15.75 r90; PIN_NUMBER "20" at 1337.75,547.97 h15.75 r180; PIN_NUMBER "47" at 1054.28,429.86 h15.75 r180; PIN_NUMBER "28" at 1253.1,652.3 h15.75 r90; PIN_NUMBER "4" at 1160.98,368.84 h15.75 r90; PIN_NUMBER "31" at 1194.05,652.3 h15.75 r90; PIN_NUMBER "5" at 1180.66,368.84 h15.75 r90; PIN_NUMBER "13" at 1337.75,410.18 h15.75 r180; PIN_NUMBER "2" at 1121.61,368.84 h15.75 r90; PIN_NUMBER "12" at 1312.16,368.84 h15.75 r90
U9: PIN_NUMBER "47" at 1860.3,3650.01 h25 r180; PIN_NUMBER "37" at 1663.45,3650.01 h25 r180; PIN_NUMBER "25" at 1427.23,3650.01 h25 r180; PIN_NUMBER "24" at 1427.23,3945.28 h25 r180; PIN_NUMBER "48" at 1880,3650.01 h25 r180; PIN_NUMBER "39" at 1702.82,3650.01 h25 r180; PIN_NUMBER "45" at 1820.93,3650.01 h25 r180; PIN_NUMBER "28" at 1486.29,3650.01 h25 r180; PIN_NUMBER "34" at 1604.4,3650.01 h25 r180; PIN_NUMBER "21" at 1486.29,3945.28 h25 r180; PIN_NUMBER "10" at 1702.82,3945.28 h25 r180; PIN_NUMBER "4" at 1830.93,3945.28 h25 r180; PIN_NUMBER "15" at 1604.4,3945.28 h25 r180; PIN_NUMBER "2" at 1870.3,3945.28 h25 r180; PIN_NUMBER "46" at 1840.63,3650.01 h25 r180; PIN_NUMBER "38" at 1683.14,3650.01 h25 r180; PIN_NUMBER "43" at 1781.56,3650.01 h25 r180; PIN_NUMBER "36" at 1643.77,3650.01 h25 r180; PIN_NUMBER "41" at 1742.19,3650.01 h25 r180; PIN_NUMBER "40" at 1722.52,3650.01 h25 r180; PIN_NUMBER "32" at 1565.03,3650.01 h25 r180; PIN_NUMBER "33" at 1584.71,3650.01 h25 r180; PIN_NUMBER "42" at 1761.89,3650.01 h25 r180; PIN_NUMBER "31" at 1545.34,3650.01 h25 r180; PIN_NUMBER "1" at 1890,3945.28 h25 r180; PIN_NUMBER "29" at 1505.97,3650.01 h25 r180; PIN_NUMBER "5" at 1811.26,3945.28 h25 r180; PIN_NUMBER "11" at 1683.14,3945.28 h25 r180; PIN_NUMBER "9" at 1732.52,3945.28 h25 r180; PIN_NUMBER "17" at 1565.03,3945.28 h25 r180; PIN_NUMBER "18" at 1545.34,3945.28 h25 r180; PIN_NUMBER "7" at 1771.89,3945.28 h25 r180; PIN_NUMBER "27" at 1466.6,3650.01 h25 r180; PIN_NUMBER "23" at 1446.92,3945.28 h25 r180; PIN_NUMBER "26" at 1446.92,3650.01 h25 r180; PIN_NUMBER "22" at 1466.6,3945.28 h25 r180; PIN_NUMBER "30" at 1525.66,3650.01 h25 r180; PIN_NUMBER "19" at 1525.66,3945.28 h25 r180; PIN_NUMBER "13" at 1643.77,3945.28 h25 r180; PIN_NUMBER "8" at 1752.19,3945.28 h25 r180; PIN_NUMBER "6" at 1791.56,3945.28 h25 r180; PIN_NUMBER "12" at 1663.45,3945.28 h25 r180; PIN_NUMBER "16" at 1584.71,3945.28 h25 r180; PIN_NUMBER "35" at 1624.08,3650.01 h25 r180; PIN_NUMBER "14" at 1624.08,3945.28 h25 r180; PIN_NUMBER "20" at 1505.97,3945.28 h25 r180; PIN_NUMBER "3" at 1850.63,3945.28 h25 r180; PIN_NUMBER "44" at 1801.26,3650.01 h25 r180
U12: PIN_NUMBER "38" at 2429.6,3942.64 h15.75; PIN_NUMBER "37" at 2449.28,3942.64 h15.75; PIN_NUMBER "48" at 2232.75,3942.64 h15.75; PIN_NUMBER "17" at 2390.23,3637.52 h15.75; PIN_NUMBER "45" at 2291.8,3942.64 h15.75; PIN_NUMBER "41" at 2370.54,3942.64 h15.75; PIN_NUMBER "47" at 2252.43,3942.64 h15.75; PIN_NUMBER "40" at 2390.23,3942.64 h15.75; PIN_NUMBER "39" at 2409.91,3942.64 h15.75; PIN_NUMBER "46" at 2272.12,3942.64 h15.75; PIN_NUMBER "42" at 2350.86,3942.64 h15.75; PIN_NUMBER "24" at 2528.02,3637.52 h15.75; PIN_NUMBER "23" at 2508.34,3637.52 h15.75; PIN_NUMBER "22" at 2488.65,3637.52 h15.75; PIN_NUMBER "20" at 2449.28,3637.52 h15.75; PIN_NUMBER "19" at 2429.6,3637.52 h15.75; PIN_NUMBER "15" at 2350.86,3637.52 h15.75; PIN_NUMBER "52" at 2154.01,3942.64 h15.75; PIN_NUMBER "11" at 2272.12,3637.52 h15.75; PIN_NUMBER "14" at 2331.17,3637.52 h15.75; PIN_NUMBER "12" at 2291.8,3637.52 h15.75; PIN_NUMBER "51" at 2173.69,3942.64 h15.75; PIN_NUMBER "56" at 2075.27,3942.64 h15.75; PIN_NUMBER "4" at 2140.62,3637.52 h15.75; PIN_NUMBER "3" at 2120.94,3637.52 h15.75; PIN_NUMBER "54" at 2114.64,3942.64 h15.75; PIN_NUMBER "7" at 2199.68,3637.52 h15.75; PIN_NUMBER "6" at 2179.99,3637.52 h15.75; PIN_NUMBER "55" at 2094.95,3942.64 h15.75; PIN_NUMBER "8" at 2219.36,3637.52 h15.75; PIN_NUMBER "29" at 2606.76,3942.64 h15.75; PIN_NUMBER "50" at 2193.38,3942.64 h15.75; PIN_NUMBER "49" at 2213.06,3942.64 h15.75; PIN_NUMBER "53" at 2134.32,3942.64 h15.75; PIN_NUMBER "33" at 2528.02,3942.64 h15.75; PIN_NUMBER "35" at 2488.65,3942.64 h15.75; PIN_NUMBER "43" at 2331.17,3942.64 h15.75; PIN_NUMBER "36" at 2468.97,3942.64 h15.75; PIN_NUMBER "25" at 2547.71,3637.52 h15.75; PIN_NUMBER "21" at 2468.97,3637.52 h15.75; PIN_NUMBER "18" at 2409.91,3637.52 h15.75; PIN_NUMBER "13" at 2311.49,3637.52 h15.75; PIN_NUMBER "16" at 2370.54,3637.52 h15.75; PIN_NUMBER "2" at 2101.25,3637.52 h15.75; PIN_NUMBER "5" at 2160.31,3637.52 h15.75; PIN_NUMBER "10" at 2252.43,3637.52 h15.75; PIN_NUMBER "32" at 2547.71,3942.64 h15.75; PIN_NUMBER "27" at 2587.08,3637.52 h15.75; PIN_NUMBER "28" at 2606.76,3637.52 h15.75; PIN_NUMBER "30" at 2587.08,3942.64 h15.75; PIN_NUMBER "31" at 2567.39,3942.64 h15.75; PIN_NUMBER "26" at 2567.39,3637.52 h15.75; PIN_NUMBER "1" at 2081.57,3637.52 h15.75; PIN_NUMBER "44" at 2311.49,3942.64 h15.75; PIN_NUMBER "9" at 2239.05,3637.52 h15.75; PIN_NUMBER "34" at 2508.34,3942.64 h15.75
U17: PIN_NUMBER "6" at 3066.63,3555.16 h15.75 r270; PIN_NUMBER "4" at 2946.55,3535.47 h15.75 r270; PIN_NUMBER "2" at 2946.55,3574.84 h15.75 r270; PIN_NUMBER "7" at 3066.63,3574.84 h15.75 r270; PIN_NUMBER "5" at 3066.63,3535.47 h15.75 r270; PIN_NUMBER "3" at 2946.55,3555.16 h15.75 r270; PIN_NUMBER "8" at 3066.63,3594.53 h15.75 r270; PIN_NUMBER "1" at 2946.55,3594.53 h15.75 r270
U22: PIN_NUMBER "8" at 511.25,4042.35 h25 r270; PIN_NUMBER "9" at 410.19,3967.27 h25.2 r270; PIN_NUMBER "3" at 309.13,3942.35 h25 r270; PIN_NUMBER "4" at 309.13,3892.35 h25 r270; PIN_NUMBER "6" at 511.25,3942.35 h25 r270; PIN_NUMBER "2" at 309.13,3992.35 h25 r270; PIN_NUMBER "5" at 511.25,3892.35 h25 r270; PIN_NUMBER "1" at 309.13,4042.35 h25 r270; PIN_NUMBER "7" at 511.25,3992.35 h25 r270
Y1: PIN_NUMBER "2" at 796,335.55 h15.75 r180; PIN_NUMBER "4" at 722.93,220.19 h15.75 r180; PIN_NUMBER "3" at 722.93,335.55 h15.75 r180; PIN_NUMBER "1" at 796,220.19 h15.75 r180
Y2: DRAWING_ORIGIN "1" at 2975.76,610.63 h25 r270; DRAWING_ORIGIN "2" at 2975.76,410.63 h25 r270